# Altium PCB US_EPS_GHW.PcbDoc (part 2 of 3) (continued)
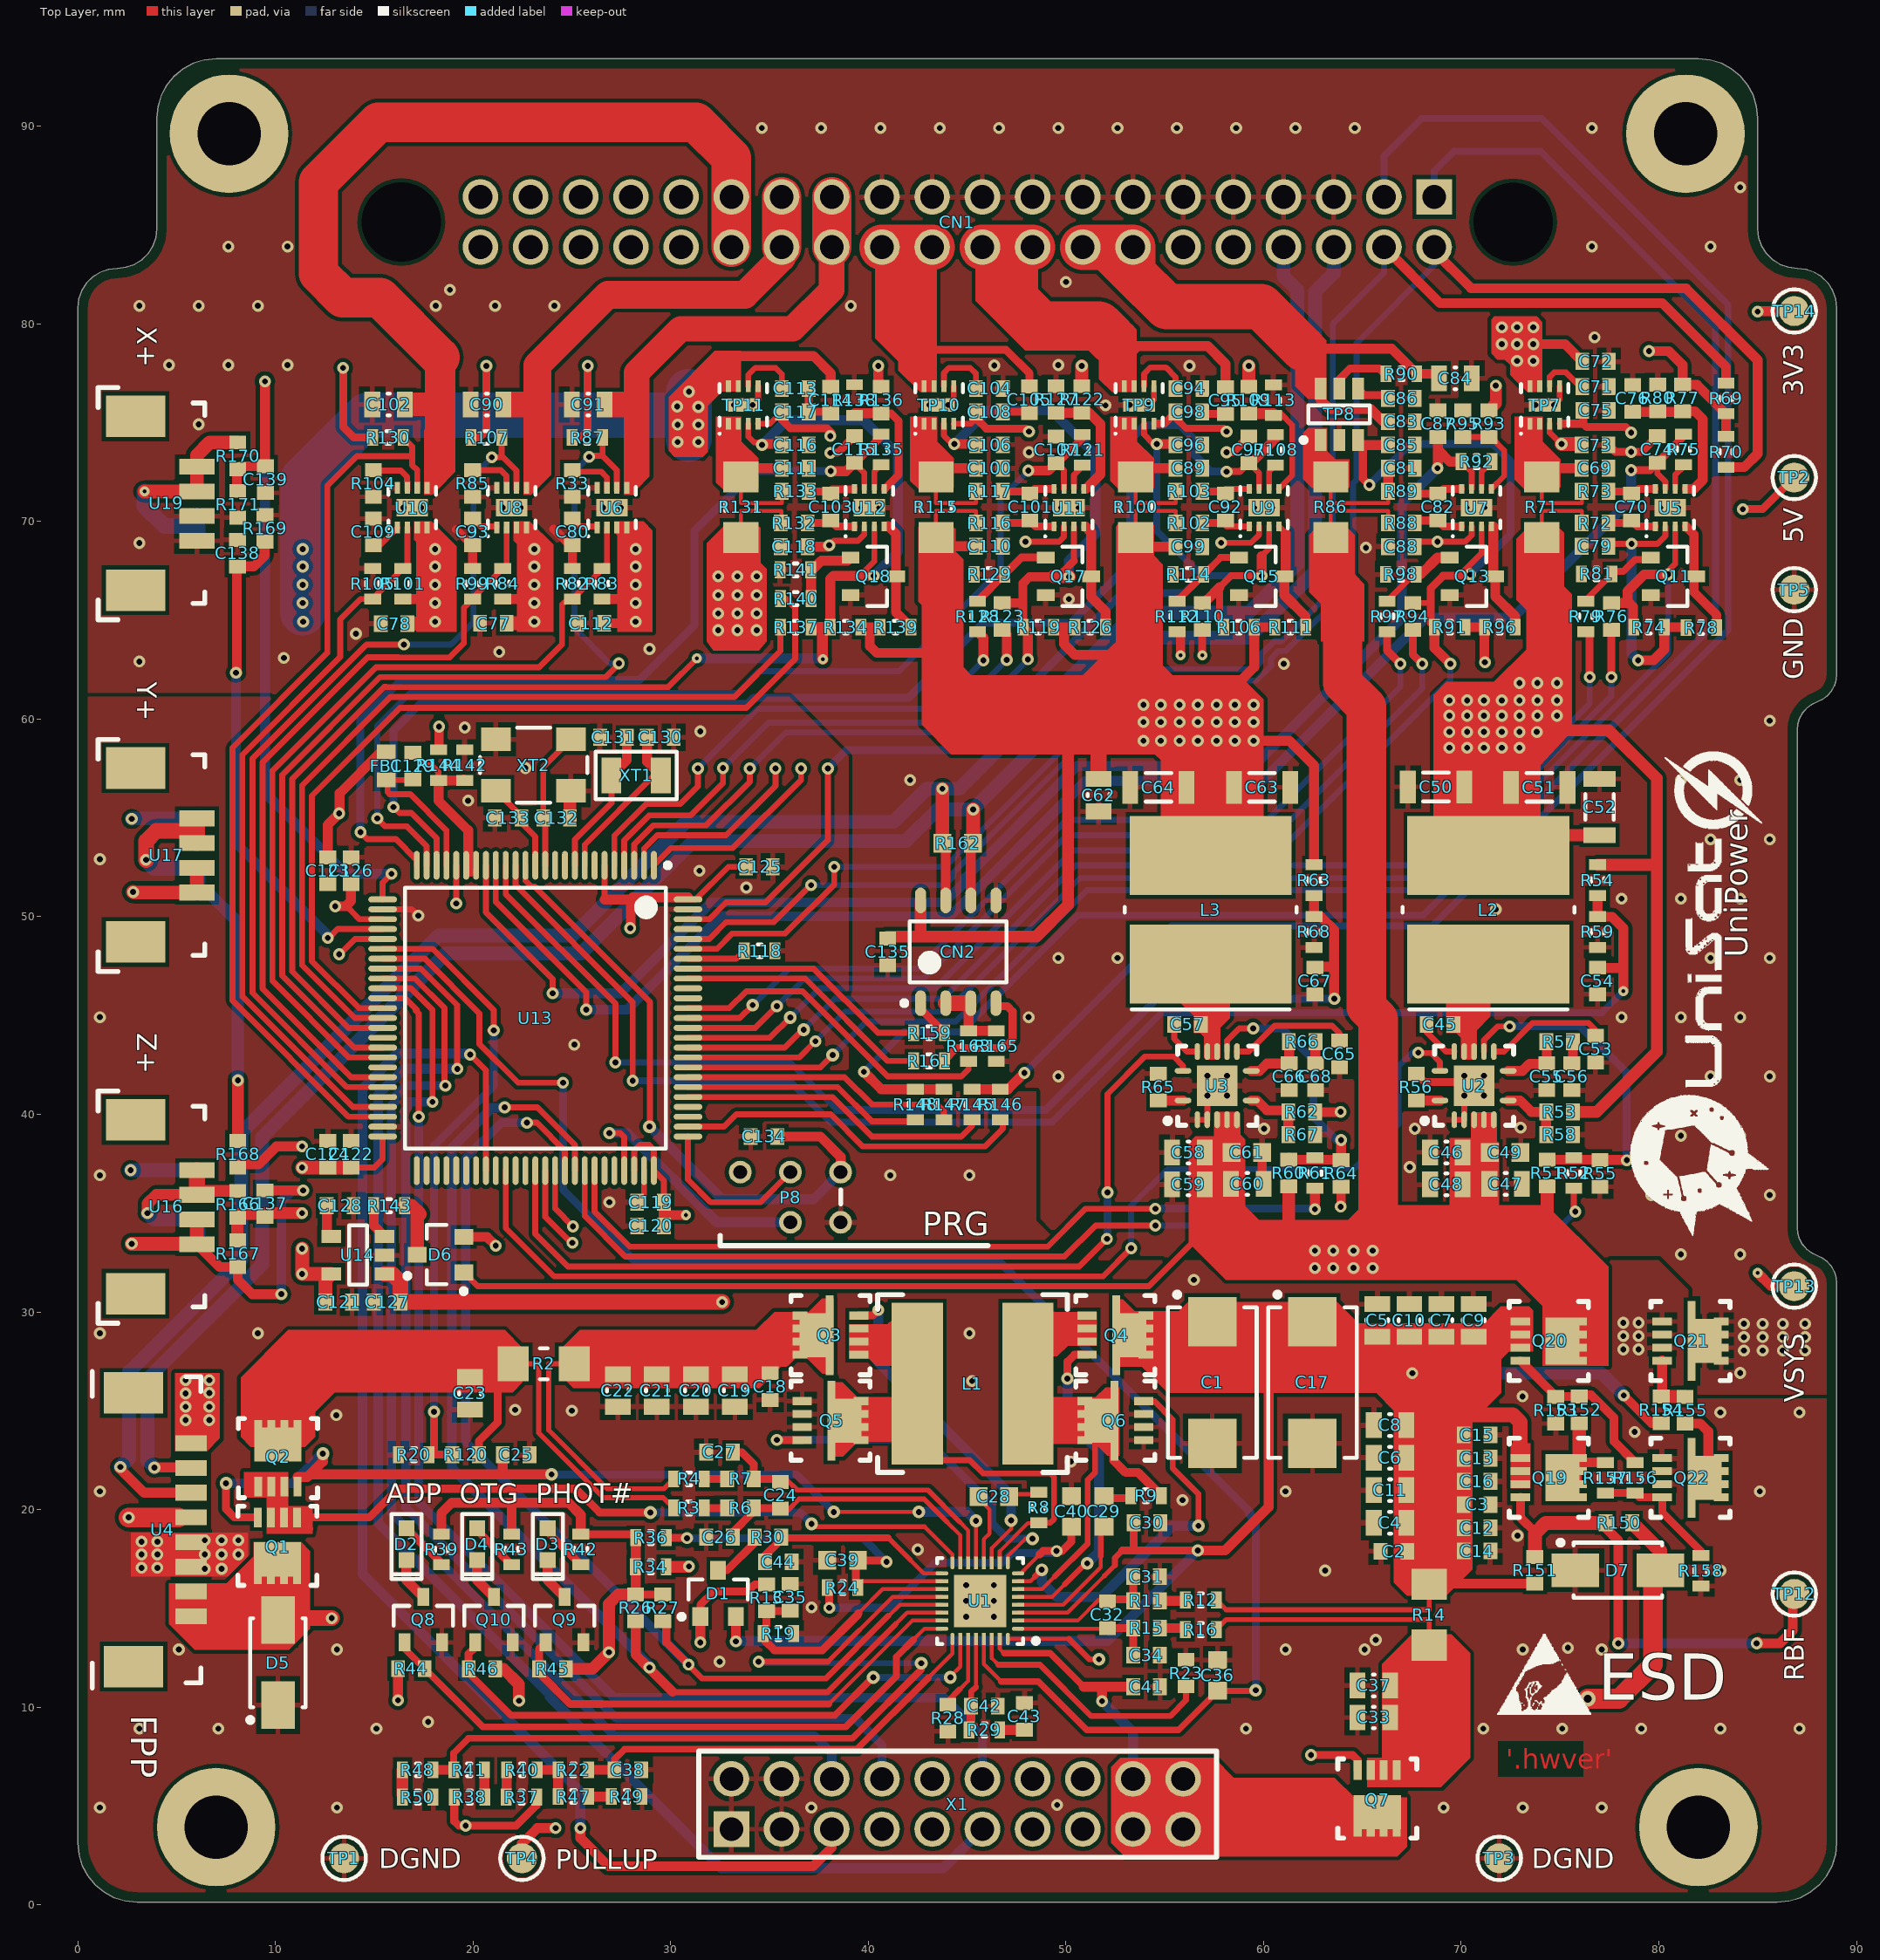
[diagram p0: Top Layer view]
## Nets (pads, with @x,y where several pads share a name; then routed paths per layer and width w, separated by ;. In a path a pad name is that pad's centre, name@x,y a point inside that pad or via, vN(x,y) a via of type N, cw(c..) or ccw(c..) an arc to the next point about the centre after c; other vN are vias at no path point) (continued)
  Top Layer w0.5: 6.025,33.875 U16.1@6.025,33.425 7.175,32.275 R167.1@8.093,32.275 8.093,31.632 8.825,30.9 v1(10.3,30.9) ; C137.1@9.475,36.15 v1(11.4,36.15)
  Top Layer w0.7: v1(2.725,33.45) 6,33.45 U16.1@6.025,33.425 ; v1(2.8,51.25) 2.825,51.225 U17.1@6.025,51.225 U17.2@6.025,52.475 ; 6.025,33.875 U16.2@6.025,34.675
  Signal Layer 1 w0.45: v1(10.425,63.1) 11.575,63.1 14.875,59.8 15,59.8 15.175,59.625 v1(18.275,59.625)
  Bottom Layer w0.5: v1(10.3,30.9) 10.3,35.6 10.85,36.15 v1(11.4,36.15)
  Bottom Layer w0.7: v1(2.675,37.175) U15.1@6.05,37.175 U15.2@6.05,35.925 ; v1(2.725,54.95) 2.75,54.975 U18.1@6.05,54.975 U18.2@6.05,53.725
  other v1: 84.112,26.915 84.3,28.05 85.25,28.05 86.275,28.05 87.4,28.05 84.3,28.725 85.25,28.725 86.275,28.725 87.4,28.725 84.3,29.4 85.25,29.4 86.275,29.4 87.4,29.4 81.112,32.915 84.112,32.915 79.612,35.915 82.612,35.915 85.612,35.915 67.4,37.325 81.112,38.915 84.112,38.915 60.025,39.275 67.65,39.275 73,39.325 49.612,41.915 82.612,41.915 85.612,41.915 48.112,44.915 78.112,44.915 81.112,44.915 84.112,44.915 49.612,47.915 52.612,47.915 82.612,47.915 85.612,47.915 71.75,50.375 78.112,50.915 81.112,50.915 84.112,50.915 82.612,53.915 85.612,53.915 42.112,56.915 81.112,56.915 84.112,56.915 85.612,59.915 61.025,62.8 3.112,62.915 21.325,63.4 28.925,63.55 14.075,64.325 50.15,66.075 65.175,68.675 3.112,68.915 48.125,73.5 6.112,74.915 52,75.875 56.25,77.875 46.375,77.9 4.612,77.915 7.612,77.915 10.612,77.915 49.612,77.915 76.75,79.325 3.112,80.915 6.112,80.915 9.112,80.915 18.112,80.915 21.112,80.915 24.112,80.915 39.112,80.915 18.825,81.725 50,82.125 7.612,83.915 10.612,83.915 76.612,83.915 82.612,83.915 84.112,86.915 34.612,89.915 37.612,89.915 40.612,89.915 43.612,89.915 46.612,89.915 49.612,89.915 52.612,89.915 55.612,89.915 58.612,89.915 61.612,89.915 64.612,89.915 76.612,89.915
  other v3: 33.2,75.9 43.1,75.9 53.225,75.9 73.75,75.9
  other v4: 58.15,40.95 71.15,40.95 57.15,41.95 58.15,41.95 70.15,41.95 71.15,41.95 16.475,70.7 17.375,70.7 21.5,70.7 22.4,70.7 26.575,70.7 27.475,70.7
  other v5: 39.6,70.7 40.5,70.7 49.7,70.7 50.6,70.7 59.575,70.7 60.475,70.7 70.325,70.7 71.225,70.7 80.125,70.7 81.025,70.7
INT_GPIO: R145.1 U13.80 | length 15.7
  Top Layer w0.3: U13.80@30.875,40.875 38.175,40.875 40.175,38.875 44.7,38.875 45.25,39.425 R145.1@45.25,39.725
INT_IN: R146.1 U13.77 | length 17.7
  Top Layer w0.3: U13.77@30.875,39.375 32.7,39.375 33.325,40 38.1,40 39.725,38.375 45.9,38.375 46.8,39.275 R146.1@46.8,39.725
NetC18_2: C18.2 C19.2 C20.2 C21.2 C22.2 Q3.3 R2.2 R4.2 | length 25.3
  Top Layer w0.254: R2.2@25.113,27.375 23.825,27.375 23.825,24.014 26.785,21.054 29.654,21.054 R4.2@30.15,21.55
  Top Layer w0.3: R2.2@25.113,27.375 35.825,27.375 Q3.3@37.375,28.925
NetC23_2: C23.2 Q2.3 R2.1 R3.2 R120.1 | length 18.7
  Top Layer w0.254: R2.1@22.038,27.375 23.325,27.375 23.325,23.872 26.597,20.6 29.625,20.6 R3.2@30.15,20.075
  Top Layer w0.3: Q2.3@10.125,23.29 Q2.3@11.05,24.215
  Top Layer w0.4: R120.1@20.3,22.775 20.3,23.475 21.25,24.425 21.25,26.45 21.15,26.55
NetC24_1: C24.1 C26.2 R6.1 U1.15 | length 14.9
  Top Layer w0.2: 43.975,19.375 44.65,18.7 U1.15@44.65,17.3
  Top Layer w0.254: C24.1@35.55,19.95 35.925,19.95 36.502,20.527 42.823,20.527 43.975,19.375
  Top Layer w0.4: C26.2@33.075,18.575 33.075,18.775 34.2,19.9 R6.1@34.2,20.075 35.425,20.075 C24.1@35.55,19.95
NetC24_2: C24.2 C27.2 R7.1 U1.14 | length 15.7
  Top Layer w0.2: 44.625,19.375 44.825,19.175 44.825,19.166 45.05,18.941 U1.14@45.05,17.3
  Top Layer w0.254: C24.2@35.55,21.5 35.875,21.5 36.394,20.981 43.019,20.981 44.625,19.375
  Top Layer w0.3: C24.2@35.5,21.55 C24.2@35.55,21.5
  Top Layer w0.4: C27.2@33.075,22.9 C27.2@33.15,22.9 33.6,22.9 34.2,22.3 R7.1@34.2,21.55 C24.2@35.5,21.55
NetC25_2: C25.2 Q1.2 Q2.2 U1.13 | length 48.4
  Top Layer w0.2: v2(38.25,19.875) v2(42.553,19.875) ; U1.13@45.45,17.3 45.45,18.075 v2(45.45,19.425)
  Top Layer w0.4: v2(7.5,21.325) 7.5,20.025 7.925,19.6 Q1.2@9.11,19.6
  Top Layer w0.5: Q2.2@11.115,21.64 11.615,21.64 11.8,21.825 ; v2(12.4,22.825) 12.4,22.425 11.8,21.825 ; C25.2@21.5,22.775 21.5,21.8 21.475,21.775 ; v2(23.975,21.775) 21.475,21.775 ; 11.8,21.825 11.85,21.775 21.475,21.775
  Top Layer w0.55: v2(12.4,22.825) v2@12.425,22.8
  Bottom Layer w0.4: v2(23.975,21.775) 36.35,21.775 v2(38.25,19.875)
  Bottom Layer w0.5: v2(7.5,21.325) 10.875,21.325 11.975,22.425 ; v2(42.553,19.875) 45,19.875 v2(45.45,19.425)
  Bottom Layer w0.55: 11.975,22.425 12.375,22.825 v2(12.4,22.825)
NetC28_1: C28.1 U1.12 | length 3.6
  Top Layer w0.2: C28.1@45.575,20.55 46.125,20 46.125,18.775 45.85,18.5 45.85,17.909 U1.12@45.85,17.3
NetC28_2: C28.2 R8.1 | length 1.6
  Top Layer w0.2: C28.2@47.125,20.55 47.35,20.775 R8.1@48.625,20.775
NetC29_1: C29.1 R9.1 | length 1.6
  Top Layer w0.2: C29.1@51.725,20.575 C29.1@51.925,20.575
  Top Layer w0.4: C29.1@51.925,20.575 53.25,20.575 R9.1@53.275,20.6
NetC29_2: C29.2 U1.4 | length 7.1
  Top Layer w0.2: U1.4@47.575,15.175 49.86,15.175 51.764,17.078 51.764,17.639
  Top Layer w0.3: 51.764,17.639 51.764,18.964 C29.2@51.925,19.125
NetC31_2: C31.2 C32.2 R11.2 U1.2 | length 7.4
  Top Layer w0.2: U1.2@47.575,14.375 50.6,14.375 51.675,15.45 C32.2@52.1,15.45 ; R11.2@53.325,15.45 R11.2@53.4,15.525
  Top Layer w0.4: C32.2@52.1,15.45 R11.2@53.325,15.45 ; R11.2@53.4,15.525 C31.2@53.4,16.6
NetC32_1: C32.1 C34.1 R15.2 U1.1 | length 7.3
  Top Layer w0.2: U1.1@47.575,13.975 52.025,13.975 52.1,13.9 C32.1@52.2,14
  Top Layer w0.4: C32.1@52.2,14 R15.2@53.4,14 C34.1@53.4,12.625 C34.1@53.4,12.575
NetC33_1: C33.1 C37.1 Q7.1 R14.1 R16.1 | length 21.2
  Top Layer w0.2: Q7.1@65.42,6.81 Q7.1@66.08,6.81 Q7.1@66.74,6.81 66.425,7.125 66.425,11.56 R14.1@68.375,13.51
  Top Layer w0.254: R16.1@57.6,13.925 58.1,14.425 68.375,14.425 R14.1@68.375,13.51
  Top Layer w0.3: R14.1@68.375,13.137 R14.1@68.375,13.51
NetC35_2: C35.2 R13.1 R19.2 U1.19 | length 13.2
  Top Layer w0.2: 39.5,14.75 40.725,15.975 U1.19@43.725,15.975
  Top Layer w0.4: C35.2@36.05,14.875 36.036,14.861 R13.1@34.85,14.861 34.85,13.775 34.775,13.7 34.775,13.35 35.25,12.875 37.669,12.875 39.478,14.683 39.478,14.728 39.5,14.75
NetC36_2: C36.2 U1.29 U13.32 | length 86
  Top Layer w0.2: U1.29@45.85,13.45 45.85,12.175 46.725,11.3
  Top Layer w0.3: U13.32@15.425,47.875 17.557,47.875 20.325,45.107 20.325,43.55 22.275,41.6 v1(24.55,41.6)
  Top Layer w0.32: 46.725,11.3 48.6,11.3 51.05,8.85 55.7,8.85 C36.2@57.675,10.825 59.575,10.825 v2(59.6,10.85)
  Bottom Layer w0.4: v1(24.55,41.6) 24.55,36.2 28.3,32.45 46.725,32.45 59.35,19.825 59.275,19.75 59.6,19.425 v2(59.6,10.85)
NetC38_2: C38.2 R22.2 U1.25 | length 21.9
  Top Layer w0.2: 43.025,11.475 44.25,12.7 U1.25@44.25,13.45
  Top Layer w0.35: C38.2@27.15,6.825 27.15,7.35 27.675,7.875 39.425,7.875 43.025,11.475
  Top Layer w0.5: R22.2@25.85,6.825 C38.2@27.15,6.825
NetC40_2: C40.2 R24.1 U1.8 | length 17.8
  Top Layer w0.2: U1.8@47.575,16.775 47.718,16.775 48.15,17.207 48.15,17.209 48.667,17.726
  Top Layer w0.4: v1(38.025,15.025) R24.1@38.025,16.05 ; 48.667,17.726 48.841,17.9 v1(49.525,17.9) 49.8,17.9 50.275,18.375 C40.2@50.275,19.125
  Bottom Layer w0.4: v1(38.025,15.025) 41.1,15.025 43.375,17.3 46.775,17.3 47.275,17.8 49.425,17.8 v1(49.525,17.9)
NetC42_1: C42.1 R29.2 U1.28 | length 5.1
  Top Layer w0.2: R29.2@45.2,8.85 45.45,9.1 ; 45.45,11.025 U1.28@45.45,13.45
  Top Layer w0.3: C42.1@45.2,10.05 45.2,10.775 45.45,11.025
  Top Layer w0.45: R29.2@45.2,8.85 C42.1@45.2,10.05
NetC43_2: C43.2 R29.1 | length 1.4
  Top Layer w0.2: C43.2@47.8,8.85 C43.2@47.9,8.75
  Top Layer w0.5: R29.1@46.55,8.85 R29.1@46.65,8.85 C43.2@47.8,8.85
NetC44_2: C44.2 R30.2 U1.17 | length 10.2
  Top Layer w0.2: 42.137,17.438 42.8,16.775 U1.17@43.725,16.775
  Top Layer w0.254: 41,18.575 42.137,17.438
  Top Layer w0.35: R30.2@35.825,18.6 35.85,18.575 41,18.575
  Top Layer w0.4: C44.2@34.775,17.35 34.775,17.675 35.6,18.5 R30.2@35.6,18.6
NetC45_1: C45.1 L2.1 U2.11 U2.12
NetC45_2: C45.2 U2.13 | length 2.2
  Top Layer w0.3: C45.2@68.25,44.55 68.25,44.15 69.225,43.175 U2.13@69.65,43.175
NetC53_2: C53.2 U2.9 | length 6.2
  Top Layer w0.3: U2.9@71.65,43.175 72.175,43.175 73.625,44.625 76.425,44.625 76.8,44.25 C53.2@76.8,43.975
NetC54_2: C54.2 R54.1 R59.2 U13.15 | length 74.1
  Top Layer w0.3: U13.15@22.15,52.6 22.15,51.6 28.075,45.675 v1(28.075,41.7)
  Top Layer w0.5: C54.2@76.9,47.4 78.125,47.4 78.2,47.475 ; R54.1@76.9,50.95 R59.2@76.9,50 77.625,50 78.2,49.425 78.2,47.475 ; v6(78.2,46.225) 78.2,47.475
  Bottom Layer w0.35: v1(28.075,41.7) 36,41.7 38.1,39.6 49.3,39.6 54.85,45.15 77.125,45.15 v6(78.2,46.225)
NetC55_2: C55.2 R57.2 U2.8 | length 3.2
  Top Layer w0.5: U2.8@72.375,42.2 73.1,42.2 73.45,42.55 74.3,42.55 C55.2@74.325,42.575 74.325,43.65 R57.2@74.3,43.675
NetC56_2: C56.2 R57.1 | length 1.1
  Top Layer w0.5: C56.2@75.6,42.575 75.65,42.625 R57.1@75.65,43.675
NetC57_1: C57.1 L3.1 U3.11 U3.12
NetC57_2: C57.2 U3.13 | length 2.2
  Top Layer w0.3: C57.2@55.475,44.55 55.475,43.825 56.125,43.175 U3.13@56.65,43.175
NetC65_2: C65.2 U3.9 | length 6.3
  Top Layer w0.3: U3.9@58.65,43.175 59.25,43.175 60.55,44.475 63.475,44.475 63.843,44.107 C65.2@63.843,43.725
NetC66_2: C66.2 R66.2 U3.8 | length 3.2
  Top Layer w0.5: U3.8@59.375,42.2 59.8,42.2 60.175,42.575 C66.2@61.3,42.575 61.3,43.65 R66.2@61.275,43.675
NetC67_2: C67.2 R63.1 R68.2 U13.16 | length 58.6
  Top Layer w0.3: U13.16@21.65,52.6 21.65,51.15 27.2,45.6 v1(27.2,42.625)
  Top Layer w0.4: 63.525,47.475 63.575,47.425
  Top Layer w0.5: R63.1@62.55,50.9 R68.2@62.55,50 62.9,50 63.575,49.325 63.575,47.425 v1(63.575,45.85) ; C67.2@62.6,47.475 63.525,47.475
  Bottom Layer w0.3: v1(27.2,42.625) 36.025,42.625 38.425,40.225
  Bottom Layer w0.4: 38.425,40.225 48.975,40.225 54.6,45.85 v1(63.575,45.85)
NetC68_2: C68.2 R66.1 | length 1.1
  Top Layer w0.5: C68.2@62.625,42.575 R66.1@62.625,43.675
NetC69_2: C69.2 R71.2 R73.2 TP7.1 TP7.2 | length 6.2
  Top Layer w0.2: R71.2@74.075,72.263 74.075,70.925 76.1,70.925 R73.2@76.1,71.525 R73.2@76.1,71.575
  Top Layer w0.5: R71.2@74.075,72.263 74.512,72.7 C69.2@76.1,72.7
NetC70_1: C70.1 R72.1 U5.1 | length 2.5
  Top Layer w0.4: R72.1@77.45,69.925 78.5,69.925 C70.1@78.625,70.05 78.925,69.75 U5.1@79.775,69.75
NetC70_2: C70.2 R73.1 U5.8 | length 2.3
  Top Layer w0.4: R73.1@77.45,71.525 C70.2@78.5,71.525 ; C70.2@78.625,71.4 78.743,71.4 78.993,71.65 U5.8@79.775,71.65
NetC71_2: C71.2 TP7.6 | length 2.6
  Top Layer w0.3: TP7.6@74.475,76.85 74.475,77.325 74.7,77.55 75.302,77.55 C71.2@76.125,76.727
NetC73_2: C73.2 R74.2 R76.2 TP7.3 U5.3 U13.83 | length 83.4
  Top Layer w0.3: U13.83@30.875,42.375 37.575,42.375 v2(38.2,43) ; TP7.3@74.475,74.95 74.475,74.5 75.05,73.925 v1(75.075,73.925) ; v1@80.275,67.3 80.3,67.325 80.825,67.85 U5.3@80.825,69.75
  Top Layer w0.5: R76.2@77.6,65.875 78.5,65.875 ; R74.2@78.725,64.65 78.7,64.675 78.7,65.675 78.5,65.875 ; v1(80.475,67.325) 80.3,67.325 79.264,67.325 78.425,66.486 78.425,65.95 78.5,65.875
  Top Layer w0.7: v1(75.075,73.925) C73.2@76.1,73.925
  Signal Layer 1 w0.5: v1(75.075,73.925) 75.075,69.3 77.05,67.325 v1(80.475,67.325)
  Bottom Layer w0.3: v2(38.2,43) 39.9,44.7 44.421,44.7 51.071,51.35 68.489,51.35 80.475,63.336 v1(80.475,67.325)
NetC74_2: C74.2 R75.1 U5.7 U13.17 | length 79.1
  Top Layer w0.3: U13.17@21.15,52.6 21.15,50.75 25.725,46.175 v1(25.725,45.3) ; C74.2@79.925,72.975 79.925,72.42 80.325,72.02 U5.7@80.325,71.65 ; R75.1@81.275,74.325 R75.1@81.275,74.35
  Top Layer w0.4: v1(78.6,72.6) 79.55,72.6 C74.2@79.925,72.975 R75.1@81.275,74.325
  Bottom Layer w0.5: v1(25.725,45.3) 27.8,45.3 32.525,50.025 33.221,50.025 33.223,50.023 44.136,50.023 50.988,56.875 59.936,56.875 68.186,65.125 72.6,65.125 78.6,71.125 v1(78.6,72.6)
NetC76_2: C76.2 R77.1 R80.2 U5.5 | length 7.8
  Top Layer w0.5: C76.2@78.675,75.55 81.175,75.55 R77.1@81.2,75.575 81.825,75.575 82.225,75.175 82.225,72.1 81.775,71.65 U5.5@81.425,71.65
NetC80_1: C80.1 U6.1 | length 1.4
  Top Layer w0.3: C80.1@25.025,70.15 25.425,69.75 U6.1@26.275,69.75
NetC81_2: C81.2 R86.2 R89.2 TP8.1 | length 6.6
  Top Layer w0.2: R86.2@63.4,72.238 63.4,70.925 66.3,70.925 R89.2@66.3,71.525
  Top Layer w0.5: R86.2@63.4,72.263 R86.2@63.837,72.7 ; R89.2@66.3,71.525 C81.2@66.3,72.7
NetC82_1: C82.1 R88.1 U7.1 | length 2.5
  Top Layer w0.4: R88.1@67.65,69.925 67.775,70.05 C82.1@68.825,70.05 69.125,69.75 U7.1@69.975,69.75
NetC82_2: C82.2 R89.1 U7.8 | length 2.5
  Top Layer w0.4: R89.1@67.65,71.525 67.775,71.4 C82.2@68.825,71.4 68.868,71.4 69.118,71.65 U7.8@69.975,71.65
NetC85_2: C85.2 R91.2 R94.1 TP8.3 U7.3 U13.86 | length 76
  Top Layer w0.3: U13.86@30.875,43.875 35.025,43.875 v2(36.05,44.9) ; R94.1@67.6,65.875 68.375,65.875 68.45,65.95 ; 69.9,67.25 71.025,68.375 U7.3@71.025,69.75
  Top Layer w0.4: TP8.3@64.775,74.125 65.025,73.875 65.025,72.175 v1(65.35,71.85) ; R91.2@68.7,64.625 68.45,64.875 68.45,65.95 68.45,66.616 69.084,67.25 69.9,67.25 70.375,67.25 v1(70.45,67.325)
  Top Layer w0.5: TP8.3@65.025,73.875 C85.2@66.3,73.875 ; R91.2@68.65,64.65 68.65,63.6 v1(69.45,62.8)
  Bottom Layer w0.3: v2(36.05,44.9) 37.525,46.375 43.375,46.375 50.35,53.35 60.825,53.35 69.45,61.975 v1(69.45,62.8)
  Bottom Layer w0.4: v1(65.35,71.85) 67.425,73.925 71.6,73.925 72.5,73.025 72.5,69.375 v1(70.45,67.325)
NetC86_2: C86.2 TP8.4 | length 1.8
  Top Layer w0.4: TP8.4@64.8,76.75 TP8.4@64.775,76.725 65.1,76.4 66.125,76.4 C86.2@66.3,76.225
NetC87_2: C87.2 R92.1 U7.7 U13.18 | length 71.8
  Top Layer w0.3: U13.18@20.65,52.6 20.65,50.225 24.025,46.85 v1(24.025,46.125) ; v1(68.8,72.7) v1@68.825,72.725 ; R92.1@70,73.025 70.525,72.5 U7.7@70.525,71.65
  Top Layer w0.5: v1@68.825,72.725 68.825,73.625 ; C87.2@68.825,74.275 68.825,73.625 ; R92.1@70,73.025 69.425,73.025 68.825,73.625
  Bottom Layer w0.5: v1(24.025,46.125) 27.45,46.125 32.05,50.725 33.511,50.725 33.513,50.722 43.846,50.722 44.9,51.776 44.9,51.969 50.556,57.625 59.5,57.625 67,65.125 67,70.9 v1(68.8,72.7)
NetC89_2: C89.2 R100.2 R103.2 TP9.1 TP9.2 | length 6.2
  Top Layer w0.2: R100.2@53.525,72.263 53.525,70.925 55.55,70.925 R103.2@55.55,71.525
  Top Layer w0.5: R100.2@53.525,72.263 53.962,72.7 C89.2@55.55,72.7
NetC92_1: C92.1 R102.1 U9.1 | length 2.4
  Top Layer w0.3: C92.1@57.95,69.925 58.125,69.75 U9.1@59.275,69.75
  Top Layer w0.4: R102.1@56.9,69.925 C92.1@57.95,69.925
NetC92_2: C92.2 R103.1 U9.8 | length 2.4
  Top Layer w0.3: C92.2@57.95,71.525 58.075,71.65 U9.8@59.275,71.65
  Top Layer w0.4: R103.1@56.9,71.525 C92.2@57.95,71.525
NetC93_1: C93.1 U8.1 | length 1.4
  Top Layer w0.3: C93.1@19.975,70.15 20.375,69.75 U8.1@21.2,69.75
NetC94_2: C94.2 TP9.6 | length 3.2
  Top Layer w0.3: TP9.6@53.95,76.85 53.95,77.475 54.275,77.8 55.05,77.8 55.55,77.3 C94.2@55.55,76.727 C94.2@55.55,76.65
NetC96_2: C96.2 R106.2 R110.1 TP9.3 U9.3 U13.98 | length 56.2
  Top Layer w0.3: U13.98@30.875,49.875 31.95,49.875 32.8,50.725 34.8,50.725 37.95,53.875 v1@37.95,57.425 ; TP9.3@53.95,74.95 53.95,74.4 54.375,73.975 v1@54.6,73.975 ; 59.9,68.25 60.275,68.625 U9.3@60.275,69.75
  Top Layer w0.35: R106.2@57.975,64.65 57.775,64.85 57.775,66.675 58.35,67.25 v1(59.9,67.25)
  Top Layer w0.5: v1(54.6,73.925) C96.2@55.5,73.925 ; R110.1@57.15,66.05 57.775,66.675 ; v1(59.9,67.25) 59.9,68.25
  Top Layer w0.6: C96.2@55.5,73.925 C96.2@55.55,73.875
  Bottom Layer w0.35: v1(54.6,73.925) 54.6,69.525 56.875,67.25 v1(59.9,67.25)
  Bottom Layer w0.4: v1(37.95,57.5) 38.875,58.425 44.9,58.425 52.85,66.375 56,66.375 56.875,67.25
NetC97_2: C97.2 R108.2 U9.7 U13.23 | length 66.6
  Top Layer w0.3: v1(15.975,55.55) 16.275,55.25 16.875,55.25 18.15,53.975 U13.23@18.15,52.6 ; C97.2@59.25,72.975 59.775,72.45 U9.7@59.775,71.65
  Top Layer w0.35: v1(58.125,72.525) 58.8,72.525 C97.2@59.25,72.975
  Top Layer w0.5: C97.2@59.25,72.975 59.389,72.975 60.6,74.186 R108.2@60.6,74.4
  Bottom Layer w0.4: v1(15.975,55.55) 15.975,59.418 17.332,60.775 33.872,60.775 34.172,61.075 42.025,61.075 45.825,64.875 50.25,64.875 53.25,67.875 53.25,74.125 54,74.875 55.75,74.875 56.5,74.125 56.5,73.375 57.35,72.525 v1(58.125,72.525)
NetC100_2: C100.2 R115.2 R117.2 TP10.1 TP10.2 | length 6.2
  Top Layer w0.2: R115.2@43.425,72.263 43.425,70.925 45.45,70.925 R117.2@45.45,71.525
  Top Layer w0.5: R115.2@43.425,72.263 43.862,72.7 C100.2@45.45,72.7
NetC101_1: C101.1 R116.1 U11.1 | length 2.7
  Top Layer w0.4: R116.1@46.8,69.925 48.05,69.925 C101.1@48.175,70.05 48.475,69.75 U11.1@49.35,69.75
NetC101_2: C101.2 R117.1 U11.8 | length 2.7
  Top Layer w0.4: R117.1@46.8,71.525 48.05,71.525 C101.2@48.175,71.4 48.425,71.65 U11.8@49.35,71.65
NetC103_1: C103.1 R132.1 U12.1 | length 2.7
  Top Layer w0.3: C103.1@37.975,70.125 C103.1@38.1,70.25
  Top Layer w0.4: R132.1@36.925,69.925 37.975,69.925 C103.1@38.1,70.05 38.4,69.75 U12.1@39.25,69.75
NetC103_2: C103.2 R133.1 U12.8 | length 2.5
  Top Layer w0.4: R133.1@36.975,71.525 37.975,71.525 C103.2@38.1,71.4 38.1,71.55 38.175,71.625 39.25,71.625 U12.8@39.25,71.65
NetC104_2: C104.2 TP10.6 | length 3.1
  Top Layer w0.3: TP10.6@43.825,76.85 43.825,77.525 44.075,77.775 45.15,77.775 45.45,77.475 C104.2@45.45,76.925
NetC106_2: C106.2 R119.2 R123.1 TP10.3 U11.3 U13.3 | length 53.8
  Top Layer w0.3: U13.3@28.15,52.6 28.15,53.657 29.118,54.625 31.8,54.625 34,56.825 v1(34,57.5) ; TP10.3@43.825,74.95 43.825,74.35 44.25,73.925 v1(44.35,73.925) ; R119.2@47.825,64.847 R119.2@47.85,64.822 ; 50.4,68 U11.3@50.4,69.75
  Top Layer w0.4: R119.2@47.8,64.65 R119.2@47.825,64.675 ; 49.875,67.475 50.4,68
  Top Layer w0.45: R123.1@46.775,65.875 47.775,65.875 47.825,65.925 ; R119.2@47.825,64.847 47.825,65.925 ; v1(50.15,67.2) 48.15,67.2 47.825,66.875 47.825,65.925
  Top Layer w0.5: v1(44.35,73.925) C106.2@45.45,73.925 ; R119.2@47.825,64.65 48.075,64.4 v1(48.075,63.025)
  Top Layer w0.7: 49.4,67.225 50.125,67.225 v1(50.15,67.2)
  Bottom Layer w0.3: v1(34,57.5) 35.825,59.325 44.375,59.325 v1(48.075,63.025)
  Bottom Layer w0.5: v1(44.35,73.925) 46.05,75.625 49.25,75.625 51.5,73.375 51.5,69.375 50.15,68.025 v1(50.15,67.2)
NetC107_2: C107.2 R121.2 U11.7 U13.24 | length 54.2
  Top Layer w0.3: v1@15.15,54.875 v1(15.15,54.975) 15.55,54.575 16.65,54.575 17.65,53.575 U13.24@17.65,52.6 ; C107.2@49.55,72.95 49.9,72.6 U11.7@49.9,71.65 ; R121.2@50.875,74.275 R121.2@50.875,74.375
  Top Layer w0.4: C107.2@49.55,72.95 R121.2@50.875,74.275
  Top Layer w0.5: v1(48.1,72.575) 49.125,72.575 C107.2@49.5,72.95
  Bottom Layer w0.3: v1(15.15,54.975) 15.15,59.675 16.8,61.325 33.375,61.325 34.47,62.42 41.545,62.42 46.7,67.575 46.7,71.175 v1(48.1,72.575)
NetC109_1: C109.1 U10.1 | length 1.6
  Top Layer w0.3: C109.1@14.95,68.725 15.225,68.725 U10.1@16.175,69.675
NetC111_2: C111.2 R131.2 R133.2 TP11.1 TP11.2 | length 6.3
  Top Layer w0.2: R131.2@33.55,72.263 33.55,70.925 35.625,70.925 R133.2@35.625,71.525
  Top Layer w0.5: R131.2@33.55,72.263 33.987,72.7 C111.2@35.625,72.7
NetC113_2: C113.2 TP11.6 | length 3.3
  Top Layer w0.3: TP11.6@33.925,76.85 33.925,77.425 34.275,77.775 35.3,77.775 35.625,77.45 C113.2@35.625,76.727
NetC115_2: C115.2 R135.2 U12.7 U13.25 | length 46.1
  Top Layer w0.3: v1(14.3,54.275) 14.65,53.925 16.1,53.925 17.15,52.875 U13.25@17.15,52.6 ; C115.2@39.3,72.95 39.8,72.45 U12.7@39.8,71.65
  Top Layer w0.4: C115.2@39.325,72.975 40.65,74.3 R135.2@40.65,74.425
  Top Layer w0.5: v1@38.1,72.575 v1(38.1,72.55) 38.875,72.55 C115.2@39.3,72.975 C115.2@39.325,72.975
  Bottom Layer w0.4: v1(14.3,54.275) 14.3,59.925 16.35,61.975 28.417,61.975 31.2,64.758 31.2,69.525 34.225,72.55 v1(38.1,72.55)
NetC116_2: C116.2 R134.2 R137.1 TP11.3 U12.3 U13.39 | length 72.5
  Top Layer w0.3: U13.39@15.425,44.375 13.7,44.375 10.848,47.228 10.848,56.973 15.5,61.625 15.606,61.625 15.608,61.623 29.873,61.623 v6(31.325,63.075) ; TP11.3@33.925,74.95 33.925,74.3 34.225,74 34.5,74 v1(34.625,73.875) ; R137.1@37.1,64.65 37.297,64.65 R137.1@37.1,64.847 ; 39.625,67.3 40.3,67.975 U12.3@40.3,69.75
  Top Layer w0.5: v1(34.625,73.875) 34.675,73.925 C116.2@35.625,73.925 ; R134.2@38.075,64.65 38.075,67.1 38.225,67.25 v1(40.275,67.25)
  Top Layer w0.55: R137.1@37.297,64.65 37.675,64.65 ; v6(37.7,63.025) 37.675,63.05 37.675,64.65 ; R134.2@38.075,64.65 37.675,64.65
  Bottom Layer w0.5: v6(31.325,63.075) 37.65,63.075 v6(37.7,63.025) ; v1(34.625,73.875) 35.875,75.125 39.75,75.125 41.5,73.375 41.5,68.475 v1(40.275,67.25)
NetC128_2: C128.2 U14.4 | length 1.6
  Top Layer w0.5: C128.2@12.6,35.375 12.6,34.05 U14.4@12.825,33.825
NetC129_2: C129.2 FB1.1 U13.22 | length 7.6
  Top Layer w0.3: FB1.1@15.6,56.92 FB1.1@15.625,56.92 ; FB1.1@15.625,56.975 FB1.1@15.625,56.92 ; C129.2@16.95,56.95 16.92,56.92 FB1.1@15.675,56.92 ; U13.22@18.65,52.6 18.65,54.375 16.822,56.203 15.772,56.203 15.675,56.3 FB1.1@15.675,56.92 ; FB1.1@15.625,56.92 FB1.1@15.675,56.92
NetC130_2: C130.2 U13.8 XT1.2 | length 8.6
  Top Layer w0.3: U13.8@25.65,52.6 25.65,53.65 29.15,57.15 XT1.2@29.5,57.15
  Top Layer w0.5: C130.2@28.8,59.075 28.8,57.85 XT1.2@29.5,57.15
NetC131_2: C131.2 U13.9 XT1.1 | length 7.6
  Top Layer w0.3: U13.9@25.15,52.6 25.15,53.9 27,55.75 XT1.1@27,57.15
  Top Layer w0.5: XT1.1@27,57.15 27.775,57.925 C131.2@27.775,59.075
NetC132_2: C132.2 U13.12 XT2.3 | length 7
  Top Layer w0.3: U13.12@23.65,52.6 23.65,54.9 C132.2@23.55,55 23.55,57.575 XT2.3@24.95,58.975
NetC133_2: C133.2 U13.13 XT2.1 | length 4.6
  Top Layer w0.3: XT2.1@21.15,56.375 22.45,55.075 C133.2@22.45,55 22.45,54.75 23.15,54.05 U13.13@23.15,52.6
NetC134_2: C134.2 P8.1 U13.14 | length 32.1
  Top Layer w0.3: U13.14@22.65,52.6 22.65,51.818 22.943,51.525 23.125,51.525 28.95,45.7 28.95,39.4 v2(28.925,39.375)
  Top Layer w0.5: C134.2@35.4,38.875 37.575,38.875 38.6,37.85 P8.1@38.6,37.075
  Bottom Layer w0.5: v2(28.925,39.375) 32.6,35.7 37.225,35.7 P8.1@38.6,37.075
NetC137_2: C137.2 R166.1 R167.2 U13.30 | length 21
  Top Layer w0.3: v1(13.225,48.1) 13.25,48.1 14.025,48.875 U13.30@15.425,48.875
  Top Layer w0.6: R167.2@8.068,33.8 8.068,34.95 9.3,34.95 C137.2@9.325,34.975 ; C137.2@9.45,34.975 9.475,35 v1(11.35,35)
  Signal Layer 1 w0.5: v1(11.35,35) 11.9,35 13.225,36.325 v1(13.225,48.1)
NetC138_2: C138.2 R168.1 R169.2 U13.29 | length 40.7
  Top Layer w0.3: v1(12.65,48.925) 12.7,48.925 13.15,49.375 U13.29@15.425,49.375
  Top Layer w0.5: v1(8,62.35) 8.05,62.4 8.05,67.725 C138.2@8.075,67.725 8.9,67.725 9.45,68.275 R169.2@9.45,68.975 ; R168.1@8.068,37.475 9.15,37.475 10.05,38.375 v1@11.3,38.375
  Signal Layer 1 w0.5: v1(11.35,38.375) 12.025,39.05 12.025,48.3 v1(12.65,48.925)
  Bottom Layer w0.5: v1(8,62.35) 8,53.725 11.412,50.313 12.65,49.075 v1(12.65,48.925)
NetC139_2: C139.2 R170.1 R171.2 U13.26 | length 37.3
  Top Layer w0.3: U13.26@15.425,50.875 15.425,51.725 v1(15.875,52.175)
  Top Layer w0.5: R171.2@8.05,71.55 8.05,72.65 8.068,72.65 8.218,72.8 C139.2@9.45,72.8 ; C139.2@9.468,72.8 v1(9.468,77.093)
  Bottom Layer w0.5: v1(9.468,77.093) 9.468,56.268 13.561,52.175 v1(15.875,52.175)
NetCN1_1: CN1.1 R147.2 R148.2 | length 91.9
  Top Layer w0.5: v1(39.775,42.15) 40.65,41.275 R148.2@42.375,41.275 R147.2@43.825,41.275 R147.2@44.025,41.275
  Bottom Layer w0.35: v1(39.775,42.15) 41.8,44.175 44.7,44.175 50.6,50.075 68.075,50.075 82.875,64.875 82.875,79.875 74.025,88.725 69.625,88.725 68.63,87.73 CN1.1@68.63,86.425
  Bottom Layer w0.5: CN1.1@68.63,86.425 CN1.1@68.8,86.425
NetCN1_2: CN1.2 R70.2 U13.96 | length 86.5
  Top Layer w0.3: U13.96@30.875,48.875 31.95,48.875 32.8,49.725 35.225,49.725 v1(37.1,51.6)
  Top Layer w0.5: CN1.2@68.63,83.885 68.525,83.78 70.505,81.8 81.375,81.8 85,78.175 85,73.425 84.325,72.75 R70.2@83.4,72.75
  Bottom Layer w0.3: v1(37.1,51.6) 43.875,51.6 44.3,52.025 44.3,52.218 54.032,61.95 59.632,61.95 60.373,62.69 60.373,63.07 60.755,63.453 61.135,63.453 64.522,66.84 64.522,71.945 64.7,72.123 64.7,79.025 68.925,83.25 CN1.2@68.4,83.25 ; CN1.2@68.4,83.625 68.4,83.655 CN1.2@68.63,83.885 68.63,83.855 CN1.2@68.4,83.625
NetCN1_3: CN1.3 R145.2 R146.2 | length 88.4
  Top Layer w0.5: R145.2@45.325,41.275 R146.2@46.675,41.275 47.075,41.275 v1(47.9,42.1)
  Bottom Layer w0.35: v1(47.9,42.1) 55.325,49.525 68.525,49.525 83.5,64.5 83.5,80.975 74.075,90.4 68,90.4 66.09,88.49 CN1.3@66.09,86.425
NetCN1_4: CN1.4 R69.2 U13.95 | length 80.7
  Top Layer w0.3: U13.95@30.875,48.375 32.35,48.375 33.125,49.15 35.8,49.15 38.275,51.625 v1(38.275,52.525)
  Top Layer w0.5: CN1.4@66.09,83.885 68.925,81.05 80.175,81.05 83.4,77.825 R69.2@83.4,77
  Bottom Layer w0.3: v1(38.275,52.525) 43.9,52.525 53.9,62.525 59.5,62.525 59.873,62.898 59.873,63.277 60.548,63.953 60.928,63.953 63.5,66.525 63.5,80 66.09,82.59 CN1.4@66.09,83.885 CN1.4@65.318,83.885
NetCN2_1: CN2.1 R159.2 | length 2
  Top Layer w0.4: CN2.1@42.645,45.625 42.645,45.33 R159.2@43.85,44.125
NetCN2_2: CN2.2 CN2.3 R163.2 R165.2 | length 3.9
  Top Layer w0.5: CN2.3@45.075,45.515 R163.2@45.075,44.232 R165.2@46.475,44.232
  Top Layer w0.8: CN2.2@43.915,45.625 44.965,45.625 CN2.3@45.075,45.515
NetCN2_4: CN2.4 R161.2 | length 6.4
  Top Layer w0.4: R161.2@43.85,42.7 43.85,42.75 44.457,43.357 46.866,43.357 47.3,43.791 47.3,45.2 47.025,45.475 46.605,45.475 CN2.4@46.455,45.625
NetD1_3: D1.3 R30.1 | length 2.7
  Top Layer w0.4: D1.3@32.4,16.925 32.85,16.925 34.25,18.325 R30.1@34.25,18.6
NetD2_1: D2.1 Q8.3 | length 2.2
  Top Layer w0.5: D2.1@16.625,17.45 16.625,16.425 Q8.3@17.475,15.575
NetD2_2: D2.2 R39.1 | length 2.6
  Top Layer w0.4: D2.2@16.625,19.05 18.4,17.275 R39.1@18.4,17.2
NetD3_1: D3.1 Q9.3 | length 2.2
  Top Layer w0.5: D3.1@23.775,17.45 23.775,16.425 Q9.3@24.625,15.575
NetD3_2: D3.2 R42.1 | length 2.6
  Top Layer w0.3: D3.2@23.775,19.05 D3.2@23.825,19.05
  Top Layer w0.4: D3.2@23.775,19.05 23.775,18.875 R42.1@25.45,17.2